# Altium PCB Thunderscope_Rev4.PCBDOC (part 2 of 7)
Units mm, origin at the board's own origin, x right, y up, seen from the top; angles counter-clockwise.
Board outline 119 x 103.6 mm, 6 copper layers (Top Layer, Int1 (GND), Int2 (Sign), Int3 (Sign), Int4 (GND), Bottom Layer), stack 1.49 mm thick; 636 components, 373 nets, 2159 pads, 1291 vias.
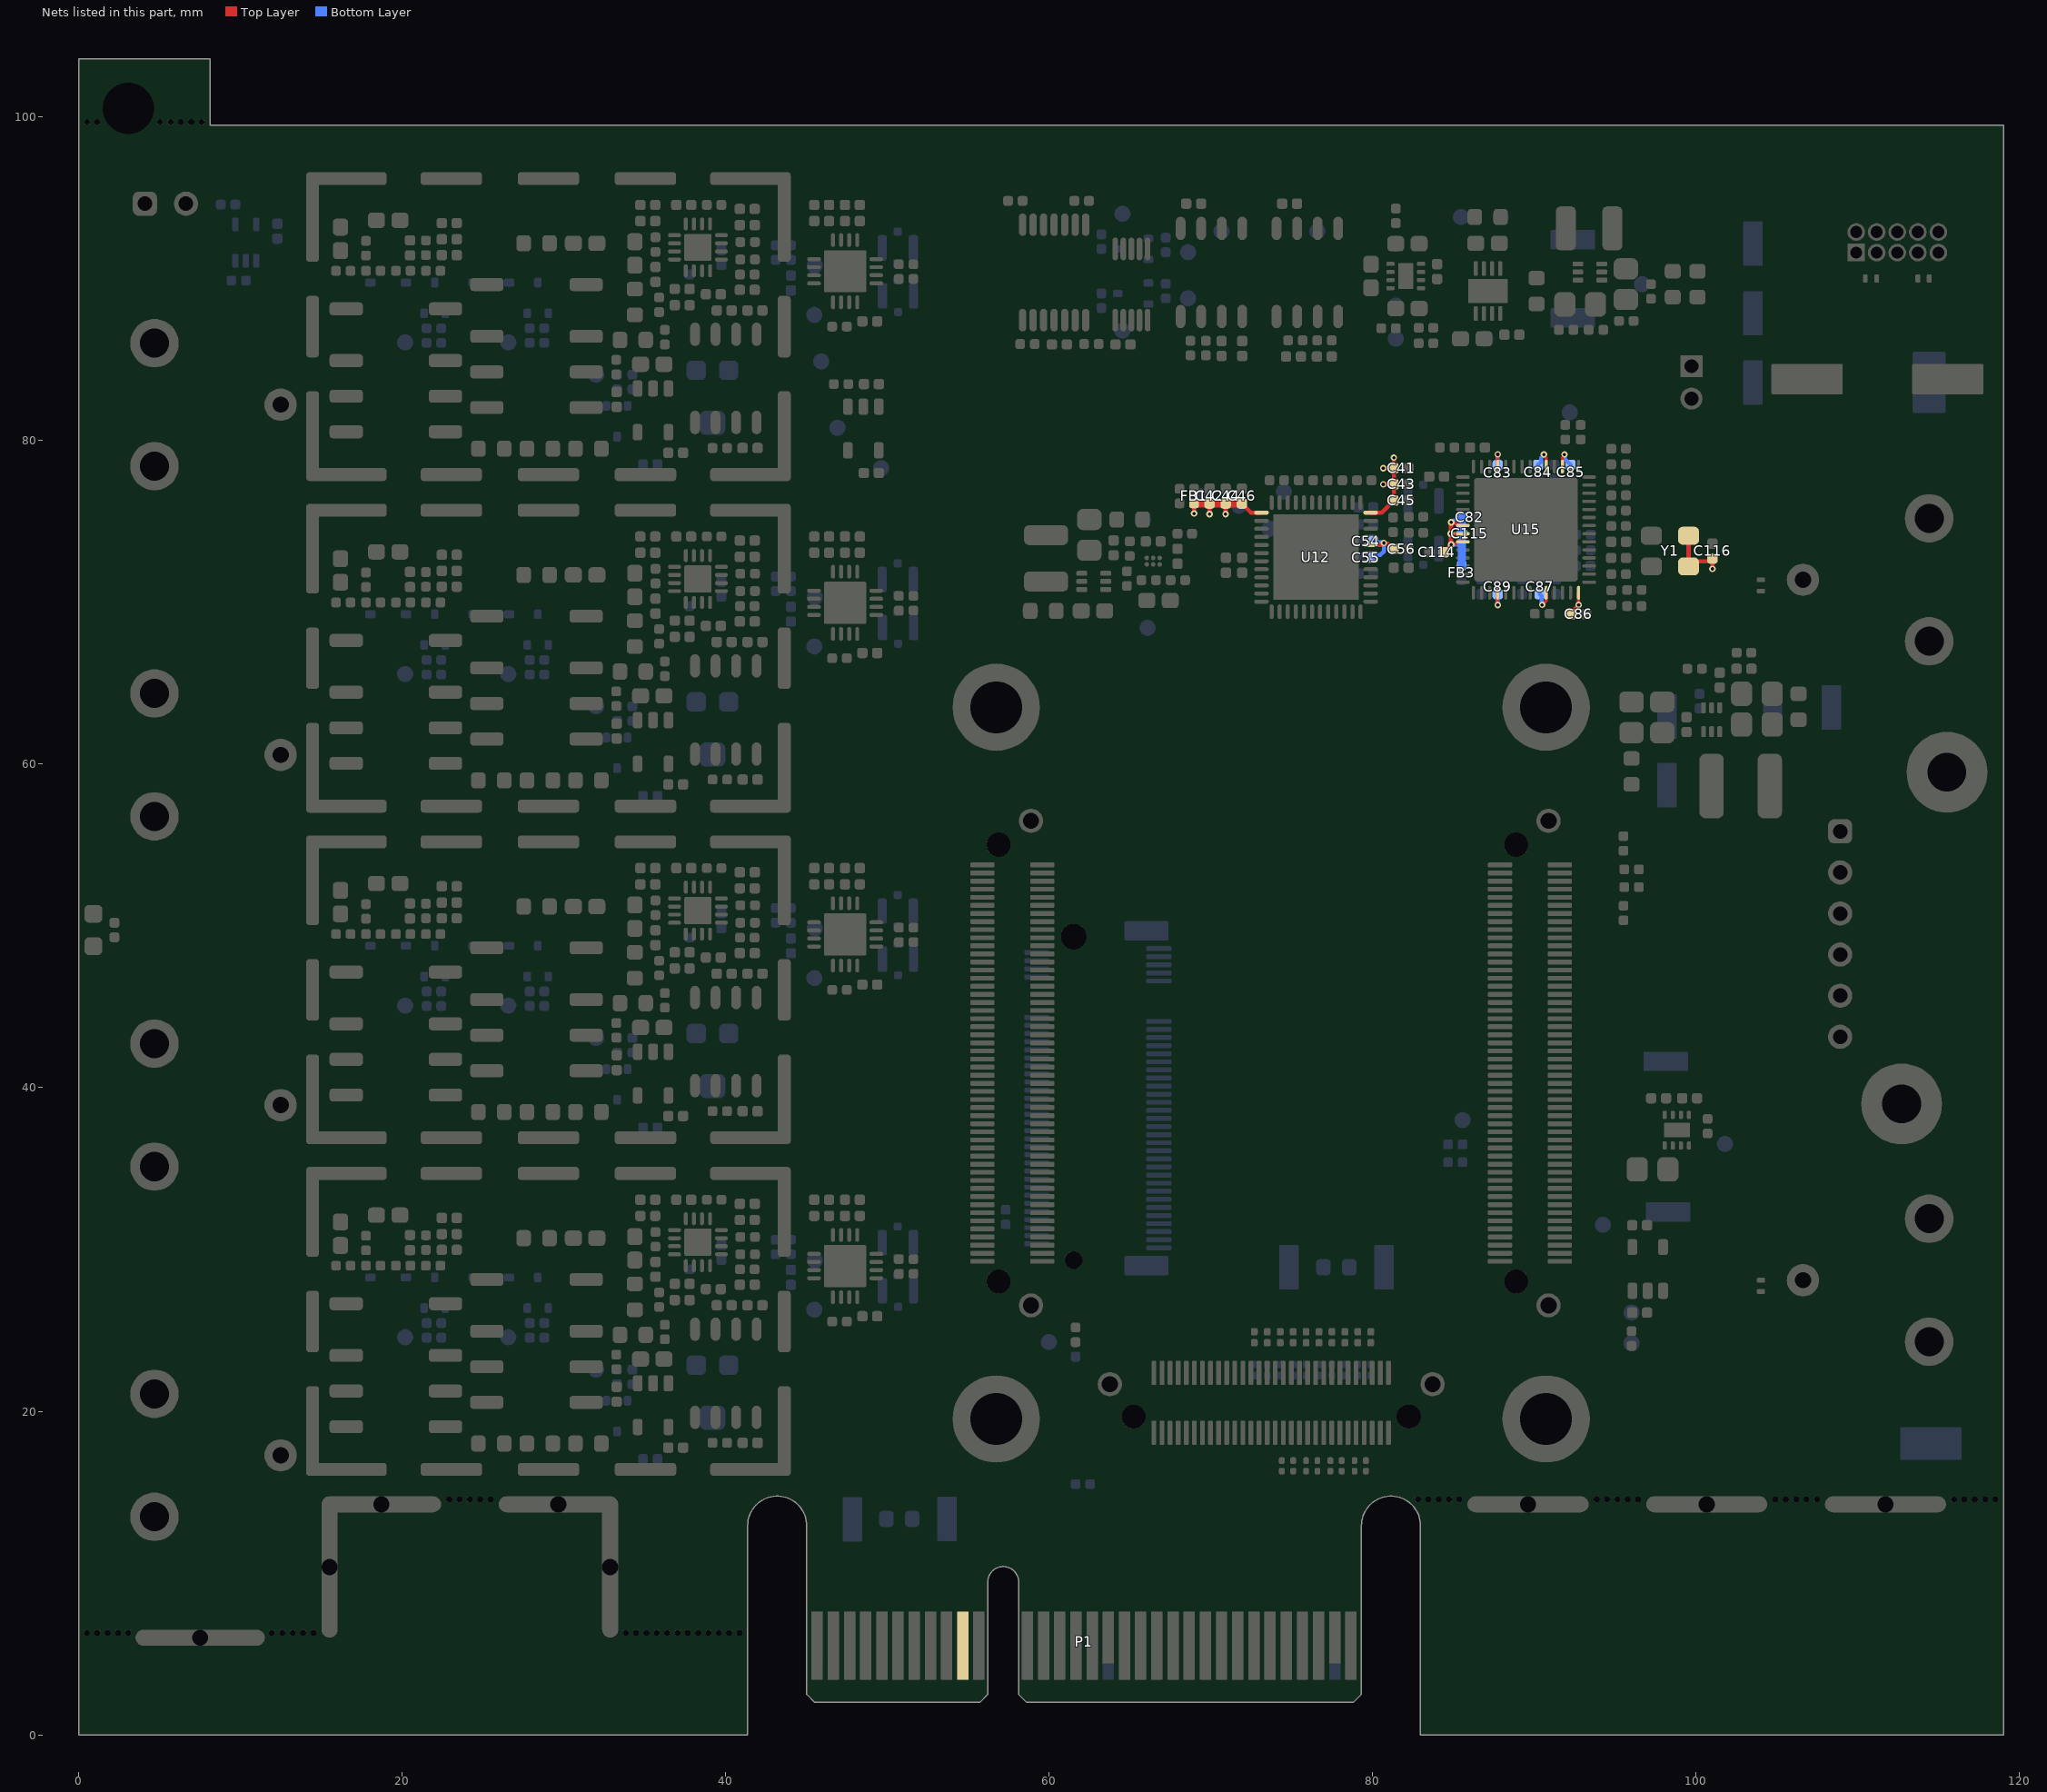
[diagram p6: the nets of this part, all layers, seen from the top]

## Components (designator, comment, footprint, x,y, rotation, side; value= is the part's Value field where it differs from the comment) (continued)
R1054A "0" GEN_R_0402 39.275,33.075 r180 top (schematic designator R1054)
R1054B "0" GEN_R_0402 39.275,53.575 r180 top (schematic designator R1054)
R1054C "0" GEN_R_0402 39.275,74.075 r180 top (schematic designator R1054)
R1054D "0" GEN_R_0402 39.275,94.575 r180 top (schematic designator R1054)
R1055A "10K" GEN_R_0402 39.625,18.05 r0 top (schematic designator R1055)
R1055B "10K" GEN_R_0402 39.625,38.55 r0 top (schematic designator R1055)
R1055C "10K" GEN_R_0402 39.625,59.05 r0 top (schematic designator R1055)
R1055D "10K" GEN_R_0402 39.625,79.55 r0 top (schematic designator R1055)
R1056A "90.9k" GEN_R_0402 36.225,24.9 r270 top (schematic designator R1056)
R1056B "90.9k" GEN_R_0402 36.225,45.4 r270 top (schematic designator R1056)
R1056C "90.9k" GEN_R_0402 36.225,65.9 r270 top (schematic designator R1056)
R1056D "90.9k" GEN_R_0402 36.225,86.4 r270 top (schematic designator R1056)
R1057A "DNP" GEN_R_0402 39.625,18.05 r180 bottom (schematic designator R1057)
R1057B "DNP" GEN_R_0402 39.625,38.55 r180 bottom (schematic designator R1057)
R1057C "DNP" GEN_R_0402 39.625,59.05 r180 bottom (schematic designator R1057)
R1057D "DNP" GEN_R_0402 39.625,79.55 r180 bottom (schematic designator R1057)
R1059A "5K" BOU_3mm_POT 39.175,21.3 r0 bottom (schematic designator R1059)
R1059B "5K" BOU_3mm_POT 39.175,41.8 r0 bottom (schematic designator R1059)
R1059C "5K" BOU_3mm_POT 39.175,62.3 r0 bottom (schematic designator R1059)
R1059D "5K" BOU_3mm_POT 39.175,82.8 r0 bottom (schematic designator R1059)
R1060A "10K" GEN_R_0402 35.325,17.05 r0 bottom (schematic designator R1060)
R1060B "10K" GEN_R_0402 35.325,37.55 r0 bottom (schematic designator R1060)
R1060C "10K" GEN_R_0402 35.325,58.05 r0 bottom (schematic designator R1060)
R1060D "10K" GEN_R_0402 35.325,78.55 r0 bottom (schematic designator R1060)
R1061A "10K" GEN_R_0402 33.275,22.125 r90 bottom (schematic designator R1061)
R1061B "10K" GEN_R_0402 33.275,42.625 r90 bottom (schematic designator R1061)
R1061C "10K" GEN_R_0402 33.275,63.125 r90 bottom (schematic designator R1061)
R1061D "10K" GEN_R_0402 33.275,83.625 r90 bottom (schematic designator R1061)
R1062A "10K" GEN_R_0402 34.225,22.125 r90 bottom (schematic designator R1062)
R1062B "10K" GEN_R_0402 34.225,42.625 r90 bottom (schematic designator R1062)
R1062C "10K" GEN_R_0402 34.225,63.125 r90 bottom (schematic designator R1062)
R1062D "10K" GEN_R_0402 34.225,83.625 r90 bottom (schematic designator R1062)
SHLD3A "2118728-2" TE_2118728-2 29.031,25.553 r180 top locked (schematic designator SHLD3)
SHLD3B "2118728-2" TE_2118728-2 29.031,46.053 r180 top locked (schematic designator SHLD3)
SHLD3C "2118728-2" TE_2118728-2 29.031,66.553 r180 top locked (schematic designator SHLD3)
SHLD3D "2118728-2" TE_2118728-2 29.031,87.053 r180 top locked (schematic designator SHLD3)
TP1 "5015" KEY_5015 92.375,87.6 r0 bottom
TP2 "PCB" GEN_TP_PCB 85.55,38 r90 bottom
TP3 "5015" KEY_5015 103.5,92.175 r90 bottom
TP4 "5015" KEY_5015 92.375,92.425 r0 bottom
TP5 "5019" KEY_5019 114.5,18 r0 bottom
TP6 "5019" KEY_5019 114.4,83.6 r90 bottom
TP7 "PCB" GEN_TP_PCB 96.65,89.675 r90 bottom
TP8 "5015" KEY_5015 103.5,87.875 r270 bottom
TP9 "PCB" GEN_TP_PCB 85.453,93.825 r180 bottom
TP10 "PCB" GEN_TP_PCB 86.95,86.3 r90 bottom
TP11 "PCB" GEN_TP_PCB 81.4,92.175 r180 bottom
TP12 "PCB" GEN_TP_PCB 81.425,88.35 r180 bottom
TP13 "PCB" GEN_TP_PCB 87.905,93.825 r270 bottom
TP14 "PCB" GEN_TP_PCB 96,24.2 r90 bottom
TP15 "PCB" GEN_TP_PCB 81.425,86.3 r180 bottom
TP16 "PCB" GEN_TP_PCB 74.5,76.85 r270 bottom
TP17 "PCB" GEN_TP_PCB 70.65,92.95 r90 bottom
TP18 "5015" KEY_5015 103.5,83.6 r90 bottom
TP19 "PCB" GEN_TP_PCB 76.575,92.95 r0 bottom
TP20 "PCB" GEN_TP_PCB 64.525,86.8 r90 bottom
TP21 "PCB" GEN_TP_PCB 64.525,94.025 r270 bottom
TP23A "PCB" GEN_TP_PCB 45.5,29.325 r90 bottom (schematic designator TP23)
TP23B "PCB" GEN_TP_PCB 45.5,49.85 r90 bottom (schematic designator TP23)
TP23C "PCB" GEN_TP_PCB 45.5,70.325 r90 bottom (schematic designator TP23)
TP23D "PCB" GEN_TP_PCB 45.5,90.825 r90 bottom (schematic designator TP23)
TP26A "PCB" GEN_TP_PCB 45.475,26.275 r90 bottom (schematic designator TP26)
TP26B "PCB" GEN_TP_PCB 45.475,46.775 r90 bottom (schematic designator TP26)
TP26C "PCB" GEN_TP_PCB 45.475,67.275 r90 bottom (schematic designator TP26)
TP26D "PCB" GEN_TP_PCB 45.475,87.775 r90 bottom (schematic designator TP26)
TP27 "PCB" GEN_TP_PCB 61.975,69.475 r0 bottom
TP28 "PCB" GEN_TP_PCB 58.825,69.475 r90 bottom
TP29 "PCB" GEN_TP_PCB 69.4,76.575 r180 bottom
TP30 "PCB" GEN_TP_PCB 96,26.1 r90 bottom
TP31 "PCB" GEN_TP_PCB 94.225,31.525 r90 bottom
TP32 "5015" KEY_5015 98.25,32.325 r180 bottom
TP33 "PCB" GEN_TP_PCB 101.775,36.525 r180 bottom
TP34 "PCB" GEN_TP_PCB 73.625,74.55 r270 bottom
TP35 "PCB" GEN_TP_PCB 71.725,75.975 r270 bottom
TP36 "PCB" GEN_TP_PCB 65.775,75.125 r90 bottom
TP37 "PCB" GEN_TP_PCB 66.075,68.425 r90 bottom
TP38 "PCB" GEN_TP_PCB 62.475,75.125 r90 bottom
TP39 "PCB" GEN_TP_PCB 59.975,24.275 r90 bottom
TP40 "5015" KEY_5015 53.675,13.35 r90 bottom
TP41 "5015" KEY_5015 47.825,13.325 r270 bottom
TP42 "PCB" GEN_TP_PCB 68.575,91.65 r270 bottom
TP43 "PCB" GEN_TP_PCB 68.575,88.8 r90 bottom
TP44 "PCB" GEN_TP_PCB 92.175,81.75 r180 bottom
TP45 "5015" KEY_5015 74.825,28.9 r90 bottom
TP46 "5015" KEY_5015 80.7,28.9 r90 bottom
TP47 "5015" KEY_5015 98.125,41.625 r0 bottom
TP48 "5015" KEY_5015 104.725,63.5 r90 bottom
TP49 "5015" KEY_5015 108.35,63.5 r270 bottom
TP50 "5015" KEY_5015 98.2,58.7 r90 bottom
TP51 "5015" KEY_5015 98.2,62.95 r270 bottom
TP52 "PCB" GEN_TP_PCB 46.9,80.8 r0 bottom
TP53 "PCB" GEN_TP_PCB 49.6,78.3 r0 bottom
TP54 "PCB" GEN_TP_PCB 45.9,84.9 r0 bottom
TP1018A "PCB" GEN_TP_PCB 20.175,24.575 r0 bottom (schematic designator TP1018)
TP1018B "PCB" GEN_TP_PCB 20.175,45.075 r0 bottom (schematic designator TP1018)
TP1018C "PCB" GEN_TP_PCB 20.175,65.575 r0 bottom (schematic designator TP1018)
TP1018D "PCB" GEN_TP_PCB 20.175,86.075 r0 bottom (schematic designator TP1018)
TP1019A "PCB" GEN_TP_PCB 26.55,24.575 r0 bottom (schematic designator TP1019)
TP1019B "PCB" GEN_TP_PCB 26.55,45.075 r0 bottom (schematic designator TP1019)
TP1019C "PCB" GEN_TP_PCB 26.55,65.575 r0 bottom (schematic designator TP1019)
TP1019D "PCB" GEN_TP_PCB 26.55,86.075 r0 bottom (schematic designator TP1019)
TP1022A "PCB" GEN_TP_PCB 31.975,22.575 r180 bottom (schematic designator TP1022)
TP1022B "PCB" GEN_TP_PCB 31.975,43.075 r180 bottom (schematic designator TP1022)
TP1022C "PCB" GEN_TP_PCB 31.975,63.575 r180 bottom (schematic designator TP1022)
TP1022D "PCB" GEN_TP_PCB 31.975,84.075 r180 bottom (schematic designator TP1022)
U1 "SN74LVC1G17" GEN_SC-70-5 10.325,92.25 r90 bottom
U2 "TPS61023" TI_SOT563_DRL0006A 93.425,90.425 r180 top
U3 "ADM7171ACPZ-5.0" AD_DFN8_CP-8-21 87.125,89.25 r90 top
U4 "LM27761" TI_WSON8_DSG0008A 82.041,90.176 r0 top
U5 "OP07CDR" TI_SOIC8_D0008A 75.955,90.4 r90 top
U6 "MCP4728" MC_MSOP10_UN 65.075,89.65 r90 top
U7A "LMH6518" TI_WQFN_RGH0016A 47.375,28.975 r270 top (schematic designator U7)
U7B "LMH6518" TI_WQFN_RGH0016A 47.375,49.475 r270 top (schematic designator U7)
U7C "LMH6518" TI_WQFN_RGH0016A 47.375,69.975 r270 top (schematic designator U7)
U7D "LMH6518" TI_WQFN_RGH0016A 47.375,90.475 r270 top (schematic designator U7)
U8 "OP07CDR" TI_SOIC8_D0008A 70.025,90.4 r90 top
U11 "TPS62A01" TI_SOT563_DRL0006A 62.75,71.3 r0 top
U12 "HMCAD1511" AD_QFN48_LP7 76.493,72.8 r0 top
U13 "LD57100JR" ST_FlipChip6 66.425,72.55 r90 top
U14 "TPS22975" TI_WSON8_DSG0008A 98.8,37.375 r90 top
U15 "ZL30260LDG1" MC_QFN56_ZL30260 89.475,74.5 r90 top
U16 "TPS7A2025" GEN_SOT23_5_950_2900X1600X1450 97,28.8 r90 top
U17 "MCP4432T-503E" MC_TSSOP14 60.3,90.4 r270 top
U19 "TPS562202" TI_SOT563_DRL0006A 100.95,62.75 r90 top
U20 "TPS7A2033" GEN_SOT23_5_950_2900X1600X1450 48.5,80.75 r270 top
U1009A "BUF802" TI_VQFN_RGT0016C 38.275,30.45 r0 top (schematic designator U1009)
U1009B "BUF802" TI_VQFN_RGT0016C 38.275,50.95 r0 top (schematic designator U1009)
U1009C "BUF802" TI_VQFN_RGT0016C 38.275,71.45 r0 top (schematic designator U1009)
U1009D "BUF802" TI_VQFN_RGT0016C 38.275,91.95 r0 top (schematic designator U1009)
U1010A "TS12A4516" GEN_SOT23_5_950_2900X1600X1450 35.5,20.375 r270 top (schematic designator U1010)
U1010B "TS12A4516" GEN_SOT23_5_950_2900X1600X1450 35.5,40.875 r270 top (schematic designator U1010)
U1010C "TS12A4516" GEN_SOT23_5_950_2900X1600X1450 35.5,61.375 r270 top (schematic designator U1010)
U1010D "TS12A4516" GEN_SOT23_5_950_2900X1600X1450 35.5,81.875 r270 top (schematic designator U1010)
U1011A "OP07CDR" TI_SOIC8_D0008A 40,22.35 r90 top (schematic designator U1011)
U1011B "OP07CDR" TI_SOIC8_D0008A 40,42.85 r90 top (schematic designator U1011)
U1011C "OP07CDR" TI_SOIC8_D0008A 40,63.35 r90 top (schematic designator U1011)
U1011D "OP07CDR" TI_SOIC8_D0008A 40,83.85 r90 top (schematic designator U1011)
Y1 "10MHz" ECS_TXO-3225 98.375,73.175 r180 top

## Footprints (in the part's own frame and the unit in brackets; to place one, negate y for a bottom-side part, rotate by r counter-clockwise, add the part's x,y. Pads: shape width x height; smd on the part's side, far side on the other; paste and mask are expansions set on the pad)
AD_DFN8_CP-8-21 [mm] "SON, 8-Leads, Body 3.00x3.00mm, Pitch 0.50mm, Thermal Pad 2.44x1.49mm, IPC Medium Density"
  rrect50% 0.9x0.25 smd: 1(-1.395,0.75) 2(-1.395,0.25) 3(-1.395,-0.25) 4(-1.395,-0.75) 5(1.395,-0.75) 6(1.395,-0.25) 7(1.395,0.25) 8(1.395,0.75)
  rrect10% 1.49x2.44 smd paste-0.745: 9(0,0)
  silkscreen extent -2.15,-1.7 1.7,1.75, body extent -1.55,-1.55 1.55,1.55, height 0.8
AD_QFN48_LP7 [mm] "QFN, 48-Leads, Body 7.00x7.00mm, Pitch 0.50mm, Thermal Pad 5.28x5.28mm, IPC Medium Density"
  oval 0.9x0.25 smd: 1(-3.375,2.75) 2(-3.375,2.25) 3(-3.375,1.75) 4(-3.375,1.25) 5(-3.375,0.75) 6(-3.375,0.25) 7(-3.375,-0.25) 8(-3.375,-0.75) 9(-3.375,-1.25) 10(-3.375,-1.75) 11(-3.375,-2.25) 12(-3.375,-2.75) 25(3.375,-2.75) 26(3.375,-2.25) 27(3.375,-1.75) 28(3.375,-1.25) 29(3.375,-0.75) 30(3.375,-0.25) 31(3.375,0.25) 32(3.375,0.75) 33(3.375,1.25) 34(3.375,1.75) 35(3.375,2.25) 36(3.375,2.75)
  oval 0.25x0.9 smd: 13(-2.75,-3.375) 14(-2.25,-3.375) 15(-1.75,-3.375) 16(-1.25,-3.375) 17(-0.75,-3.375) 18(-0.25,-3.375) 19(0.25,-3.375) 20(0.75,-3.375) 21(1.25,-3.375) 22(1.75,-3.375) 23(2.25,-3.375) 24(2.75,-3.375) 37(2.75,3.375) 38(2.25,3.375) 39(1.75,3.375) 40(1.25,3.375) 41(0.75,3.375) 42(0.25,3.375) 43(-0.25,3.375) 44(-0.75,3.375) 45(-1.25,3.375) 46(-1.75,3.375) 47(-2.25,3.375) 48(-2.75,3.375)
  rect 5.28x5.28 smd paste-5.28: 49(0,0)
  silkscreen extent -4.42,-3.65 3.65,3.65, body extent -3.5,-3.5 3.5,3.5, height 1
BOU_3mm_POT [mm]
  rrect50% 1.2x1.2 smd: 1(-1,-1.55) 3(1,-1.55)
  rrect50% 1.6x1.5 smd: 2(0,1.7)
  silkscreen extent -1.5,-0.8 1.5,1.9, body extent -1.8,-1.76 1.8,2.2, height 1.13
ECS_TXO-3225 [mm]
  rrect50% 1.3x1.1 smd: 1(-1.15,-0.95) 2(1.15,-0.95) 3(1.15,0.95) 4(-1.15,0.95)
  silkscreen extent -2.05,-1.77 -1.85,-1.58, body extent -1.6,-1.25 1.6,1.25, height 0.8
FUJ_FTR-B3SA [mm]
  rrect50% 0.8x2.06 smd: 1(-3.8,-3.07) 2(-0.6,-3.07) 3(1.6,-3.07) 4(3.8,-3.07) 5(3.8,3.07) 6(1.6,3.07) 7(-0.6,3.07) 8(-3.8,3.07)
  silkscreen extent -5.3,-3.6 5.3,3.6, body extent -5.43,-3.73 5.43,3.73, height 5.45
GEN_1.27mm_2x5_Pin_TH_RA [mm]
  rect 1.09x1.09 hole 0.74: 1(-2.54,-0.635)
  round 1.09 hole 0.74: 2(-2.54,0.635) 3(-1.27,-0.635) 4(-1.27,0.635) 5(0,-0.635) 6(0,0.635) 7(1.27,-0.635) 8(1.27,0.635) 9(2.54,-0.635) 10(2.54,0.635)
  silkscreen extent -7.1,-0.73 6.35,7.23, body extent -6.35,-0.84 6.35,7.23, height 5.6
GEN_2.54mm_1x2_Pin_TH_RA [mm]
  rrect50% 1.5x1.5 hole 0.9: 1(-1.27,0)
  round 1.5 hole 0.9: 2(1.27,0)
  silkscreen extent -2.54,-1.27 2.54,1.27, body extent -11.18,-1.27 1.58,1.27, height 5.54
GEN_2.54mm_6_Pin_TH_RA [mm]
  rrect50% 1.5x1.5 hole 0.9: 1(-6.35,0)
  round 1.5 hole 0.9: 2(-3.81,0) 3(-1.27,0) 4(1.27,0) 5(3.81,0) 6(6.35,0)
  silkscreen extent -7.62,-1.27 7.62,1.27, body extent -7.62,-0.3 7.62,10.06, height 2.54
GEN_C_0201 [mm] "Chip Capacitor, 2-Leads, Body 0.60x0.30mm, IPC Medium Density"
  rrect50% 0.46x0.42 smd: 1(-0.34,0) 2(0.34,0)
  silkscreen extent -0.75,-0.4 0.75,0.4, body extent -0.32,-0.17 0.32,0.17, height 0.33
GEN_C_0402 [mm] "Chip Capacitor, 0402, IPC Medium Density"
  rrect50% 0.64x0.64 smd: 1(-0.46,0) 2(0.46,0)
  silkscreen extent -0.95,-0.5 0.95,0.5, body extent -0.55,-0.3 0.55,0.3, height 0.6
GEN_C_0603 [mm] "Chip Capacitor, 2-Leads, Body 1.60x0.80mm, IPC Medium Density"
  rrect50% 1.05x0.95 smd: 1(-0.725,0) 2(0.725,0)
  silkscreen extent -1.5,-0.75 1.5,0.75, body extent -0.85,-0.45 0.85,0.45, height 0.9
GEN_C_0805 [mm] "Chip Capacitor, 2-Leads, Body 2.00x1.25mm, IPC Medium Density"
  rrect50% 1.3x1.5 smd: 1(-0.95,0) 2(0.95,0)
  silkscreen extent -1.8,-0.95 1.8,0.95, body extent -1.1,-0.72 1.1,0.72, height 1.45
GEN_C_POLAR_10mm [mm]
  rrect10% 4.4x1.9 smd: 1(-4.35,0) 2(4.35,0)
  silkscreen extent -6.45,-5.15 5.15,5.15, body extent -5.5,-5.15 5.5,5.15, height 10.4
GEN_L_0402 [mm] "Chip Inductor, 2-Leads, Body 1.00x0.50mm, IPC Medium Density"
  rrect50% 0.63x0.64 smd: 1(-0.465,0) 2(0.465,0)
  silkscreen extent -0.95,-0.5 0.95,0.5, body extent -0.55,-0.3 0.55,0.3, height 0.45
GEN_L_1210 [mm] "Chip Inductor, 2-Leads, Body 3.20x2.50mm, IPC Medium Density"
  rrect50% 1.23x2.72 smd: 1(-1.435,0) 2(1.435,0)
  silkscreen extent -2.3,-1.65 2.3,1.65, body extent -1.7,-1.35 1.7,1.35, height 1.2
GEN_R_0201 [mm] "Chip Resistor, 2-Leads, Body 0.60x0.30mm, IPC Medium Density"
  rrect50% 0.4x0.35 smd: 1(-0.325,0) 2(0.325,0)
  silkscreen extent -0.7,-0.35 0.7,0.35, body extent -0.32,-0.17 0.32,0.17, height 0.26
GEN_R_0402 [mm] "Chip Resistor, 2-Leads, Body 1.00x0.50mm, IPC Medium Density"
  rrect50% 0.6x0.6 smd: 1(-0.45,0) 2(0.45,0)
  silkscreen extent -0.92,-0.48 0.92,0.48, body extent -0.55,-0.3 0.55,0.3, height 0.4
GEN_R_0603 [mm]
  rrect50% 0.9x1 smd: 1(-0.8,0) 2(0.8,0)
  silkscreen extent -1.5,-0.75 1.5,0.75, body extent -0.9,-0.5 0.9,0.5, height 0.6
GEN_SC-70-5 [mm] "SOT23, 5-Leads, Body 2.00x2.10mm, Pitch 0.65mm, IPC Medium Density"
  rrect50% 0.85x0.4 smd: 1(-1.125,0.65) 2(-1.125,0) 3(-1.125,-0.65) 4(1.125,-0.65) 5(1.125,0.65)
  silkscreen extent -1.25,-1.1 0.3,1.53, body extent -1.2,-1.07 1.2,1.07, height 1.1
GEN_SOD_323 [mm]
  rrect50% 0.65x0.5 smd: 1(-1.1,0) 2(1.1,0)
  silkscreen extent -0.9,-0.65 0.9,0.65, body extent -1.26,-0.65 1.26,0.65, height 1.1
GEN_SOT23_5_950_2900X1600X1450 [mm] "SOT23, 5-Leads, Body 2.90x2.80mm, Pitch 0.95mm, IPC Medium Density"
  rrect50% 1x0.6 smd: 1(-1.35,0.95) 2(-1.35,0) 3(-1.35,-0.95) 4(1.35,-0.95) 5(1.35,0.95)
  silkscreen extent -1.47,-1.5 0.45,1.92, body extent -1.5,-1.5 1.5,1.5, height 1.45
GEN_SOT_323 [mm]
  rrect50% 0.47x0.6 smd: 1(0,0.95) 2(-0.65,-0.95) 3(0.65,-0.95)
  silkscreen extent -1.1,-0.7 1.1,0.7, body extent -1.23,-0.83 1.23,0.83, height 1.1
GEN_TP_PCB [mm]
  round 1 smd paste-1: 1(0,0)
JST_B2B-PH-K-S(LF)(SN) [mm]
  rect 1.368x1.368 hole 0.86: 1(1,-0.55)
  round 1.368 hole 0.86: 2(-1,-0.55)
  silkscreen extent -2.95,-2.25 3.7,2.25, body extent -2.95,-2.25 2.95,2.25, height 6
KEY_5015 [mm] "PC TEST POINT MICRO MINIATURE"
  rrect10% 2.75x1.2 smd: 1(0,0)
  body extent -1.56,-0.51 1.56,0.51, height 1.52
KEY_5019 [mm] "PC TEST POINT MINIATURE"
  rrect10% 3.8x2.03 smd: 1(0,0)
  body extent -1.91,-1 1.91,1.03, height 2.29
LED_0603_LTST-S270K [mm]
  rrect50% 1.1x1.1 smd: 1(-1,0) 2(1,0)
  silkscreen extent -0.2,-0.4 0.2,0.4, body extent -0.82,-0.33 0.82,0.82, height 0.6
MC_MSOP10_UN [mm] "TSSOP, 10-Leads, Body 3.00x3.00mm, Pitch 0.50mm, IPC Medium Density"
  oval 1.4x0.35 smd: 1(-2.2,1) 2(-2.2,0.5) 3(-2.2,0) 4(-2.2,-0.5) 5(-2.2,-1) 6(2.2,-1) 7(2.2,-0.5) 8(2.2,0) 9(2.2,0.5) 10(2.2,1)
  silkscreen extent -2.32,-1.5 1.1,1.85, body extent -2.45,-1.5 2.45,1.5, height 1.1
MC_QFN56_ZL30260 [mm] "QFN, 56-Leads, Body 8.00x8.00mm, Pitch 0.50mm, Thermal Pad 6.40x6.40mm, IPC Medium Density"
  oval 0.85x0.2 smd: 1(-3.9,3.25) 2(-3.9,2.75) 3(-3.9,2.25) 4(-3.9,1.75) 5(-3.9,1.25) 6(-3.9,0.75) 7(-3.9,0.25) 8(-3.9,-0.25) 9(-3.9,-0.75) 10(-3.9,-1.25) 11(-3.9,-1.75) 12(-3.9,-2.25) 13(-3.9,-2.75) 14(-3.9,-3.25) 29(3.9,-3.25) 30(3.9,-2.75) 31(3.9,-2.25) 32(3.9,-1.75) 33(3.9,-1.25) 34(3.9,-0.75) 35(3.9,-0.25) 36(3.9,0.25) 37(3.9,0.75) 38(3.9,1.25) 39(3.9,1.75) 40(3.9,2.25) 41(3.9,2.75) 42(3.9,3.25)
  oval 0.2x0.85 smd: 15(-3.25,-3.9) 16(-2.75,-3.9) 17(-2.25,-3.9) 18(-1.75,-3.9) 19(-1.25,-3.9) 20(-0.75,-3.9) 21(-0.25,-3.9) 22(0.25,-3.9) 23(0.75,-3.9) 24(1.25,-3.9) 25(1.75,-3.9) 26(2.25,-3.9) 27(2.75,-3.9) 28(3.25,-3.9) 43(3.25,3.9) 44(2.75,3.9) 45(2.25,3.9) 46(1.75,3.9) 47(1.25,3.9) 48(0.75,3.9) 49(0.25,3.9) 50(-0.25,3.9) 51(-0.75,3.9) 52(-1.25,3.9) 53(-1.75,3.9) 54(-2.25,3.9) 55(-2.75,3.9) 56(-3.25,3.9)
  rrect5% 6.4x6.4 smd paste-6.4: 57(0,0)
  silkscreen extent -4.92,-4.15 4.15,4.15, body extent -4,-4 4,4, height 1
MC_TSSOP14 [mm] "TSOP, 14-Leads, Body 5.00x4.40mm, Pitch 0.65mm, IPC Medium Density"
  oval 1.4x0.45 smd: 1(-2.95,1.95) 2(-2.95,1.3) 3(-2.95,0.65) 4(-2.95,0) 5(-2.95,-0.65) 6(-2.95,-1.3) 7(-2.95,-1.95) 8(2.95,-1.95) 9(2.95,-1.3) 10(2.95,-0.65) 11(2.95,0) 12(2.95,0.65) 13(2.95,1.3) 14(2.95,1.95)
  silkscreen extent -3.07,-2.55 1.85,2.85, body extent -3.2,-2.55 3.2,2.55, height 1.2
"MH M3" [mm]
  round 5.4 hole 3.2 unplated: 1(0,0)
MOL_0731000105 [mm] "Molex BNC Jack, TH Right Angle"
  round 2 hole 1: 1(0,-3.9)
  round 3 hole 1.8: 2(-3.8,3.9) 2(3.8,3.9)
  silkscreen extent -4.8,-0.3 4.8,8.5, body extent -4.83,-4.08 4.83,21.47, height 9.14
PCIeX4-GF-2D-1000-1K-O64 [mm] "Golden finger, PCIeX4, Dual, Opposite, Pitch 1mm, 64-Position"
  rect 0.7x3.2 smd far side paste-1: A1(-9.5,0.5)
  rect 0.7x4.2 smd far side paste-1: A2(-8.5,0) A3(-7.5,0) A4(-6.5,0) A5(-5.5,0) A6(-4.5,0) A7(-3.5,0) A8(-2.5,0) A9(-1.5,0) A10(-0.5,0) A11(0.5,0) A12(3.5,0) A13(4.5,0) A14(5.5,0) A15(6.5,0) A16(7.5,0) A17(8.5,0) A18(9.5,0) A19(10.5,0) A20(11.5,0) A21(12.5,0) A22(13.5,0) A23(14.5,0) A24(15.5,0) A25(16.5,0) A26(17.5,0) A27(18.5,0) A28(19.5,0) A29(20.5,0) A30(21.5,0) A31(22.5,0) A32(23.5,0)
  rect 0.7x4.2 smd paste-1: B1(-9.5,0) B2(-8.5,0) B3(-7.5,0) B4(-6.5,0) B5(-5.5,0) B6(-4.5,0) B7(-3.5,0) B8(-2.5,0) B9(-1.5,0) B10(-0.5,0) B11(0.5,0) B12(3.5,0) B13(4.5,0) B14(5.5,0) B15(6.5,0) B16(7.5,0) B18(9.5,0) B19(10.5,0) B20(11.5,0) B21(12.5,0) B22(13.5,0) B23(14.5,0) B24(15.5,0) B25(16.5,0) B26(17.5,0) B27(18.5,0) B28(19.5,0) B29(20.5,0) B30(21.5,0) B32(23.5,0)
  rect 0.7x3.2 smd paste-1: B17(8.5,0.5) B31(22.5,0.5)
SAM_LSHM-130-XX.X-XX-DV-A-S [mm]
  rrect50% 0.3x1.5 smd: 1(7.25,-1.85) 2(7.25,1.85) 3(6.75,-1.85) 4(6.75,1.85) 5(6.25,-1.85) 6(6.25,1.85) 7(5.75,-1.85) 8(5.75,1.85) 9(5.25,-1.85) 10(5.25,1.85) 11(4.75,-1.85) 12(4.75,1.85) 13(4.25,-1.85) 14(4.25,1.85) 15(3.75,-1.85) 16(3.75,1.85) 17(3.25,-1.85) 18(3.25,1.85) 19(2.75,-1.85) 20(2.75,1.85) 21(2.25,-1.85) 22(2.25,1.85) 23(1.75,-1.85) 24(1.75,1.85) 25(1.25,-1.85) 26(1.25,1.85) 27(0.75,-1.85) 28(0.75,1.85) 29(0.25,-1.85) 30(0.25,1.85) 31(-0.25,-1.85) 32(-0.25,1.85) 33(-0.75,-1.85) 34(-0.75,1.85) 35(-1.25,-1.85) 36(-1.25,1.85) 37(-1.75,-1.85) 38(-1.75,1.85) 39(-2.25,-1.85) 40(-2.25,1.85) 41(-2.75,-1.85) 42(-2.75,1.85) 43(-3.25,-1.85) 44(-3.25,1.85) 45(-3.75,-1.85) 46(-3.75,1.85) 47(-4.25,-1.85) 48(-4.25,1.85) 49(-4.75,-1.85) 50(-4.75,1.85) 51(-5.25,-1.85) 52(-5.25,1.85) 53(-5.75,-1.85) 54(-5.75,1.85) 55(-6.25,-1.85) 56(-6.25,1.85) 57(-6.75,-1.85) 58(-6.75,1.85) 59(-7.25,-1.85) 60(-7.25,1.85)